# KiCad board VNA.kicad_pcb (continued)
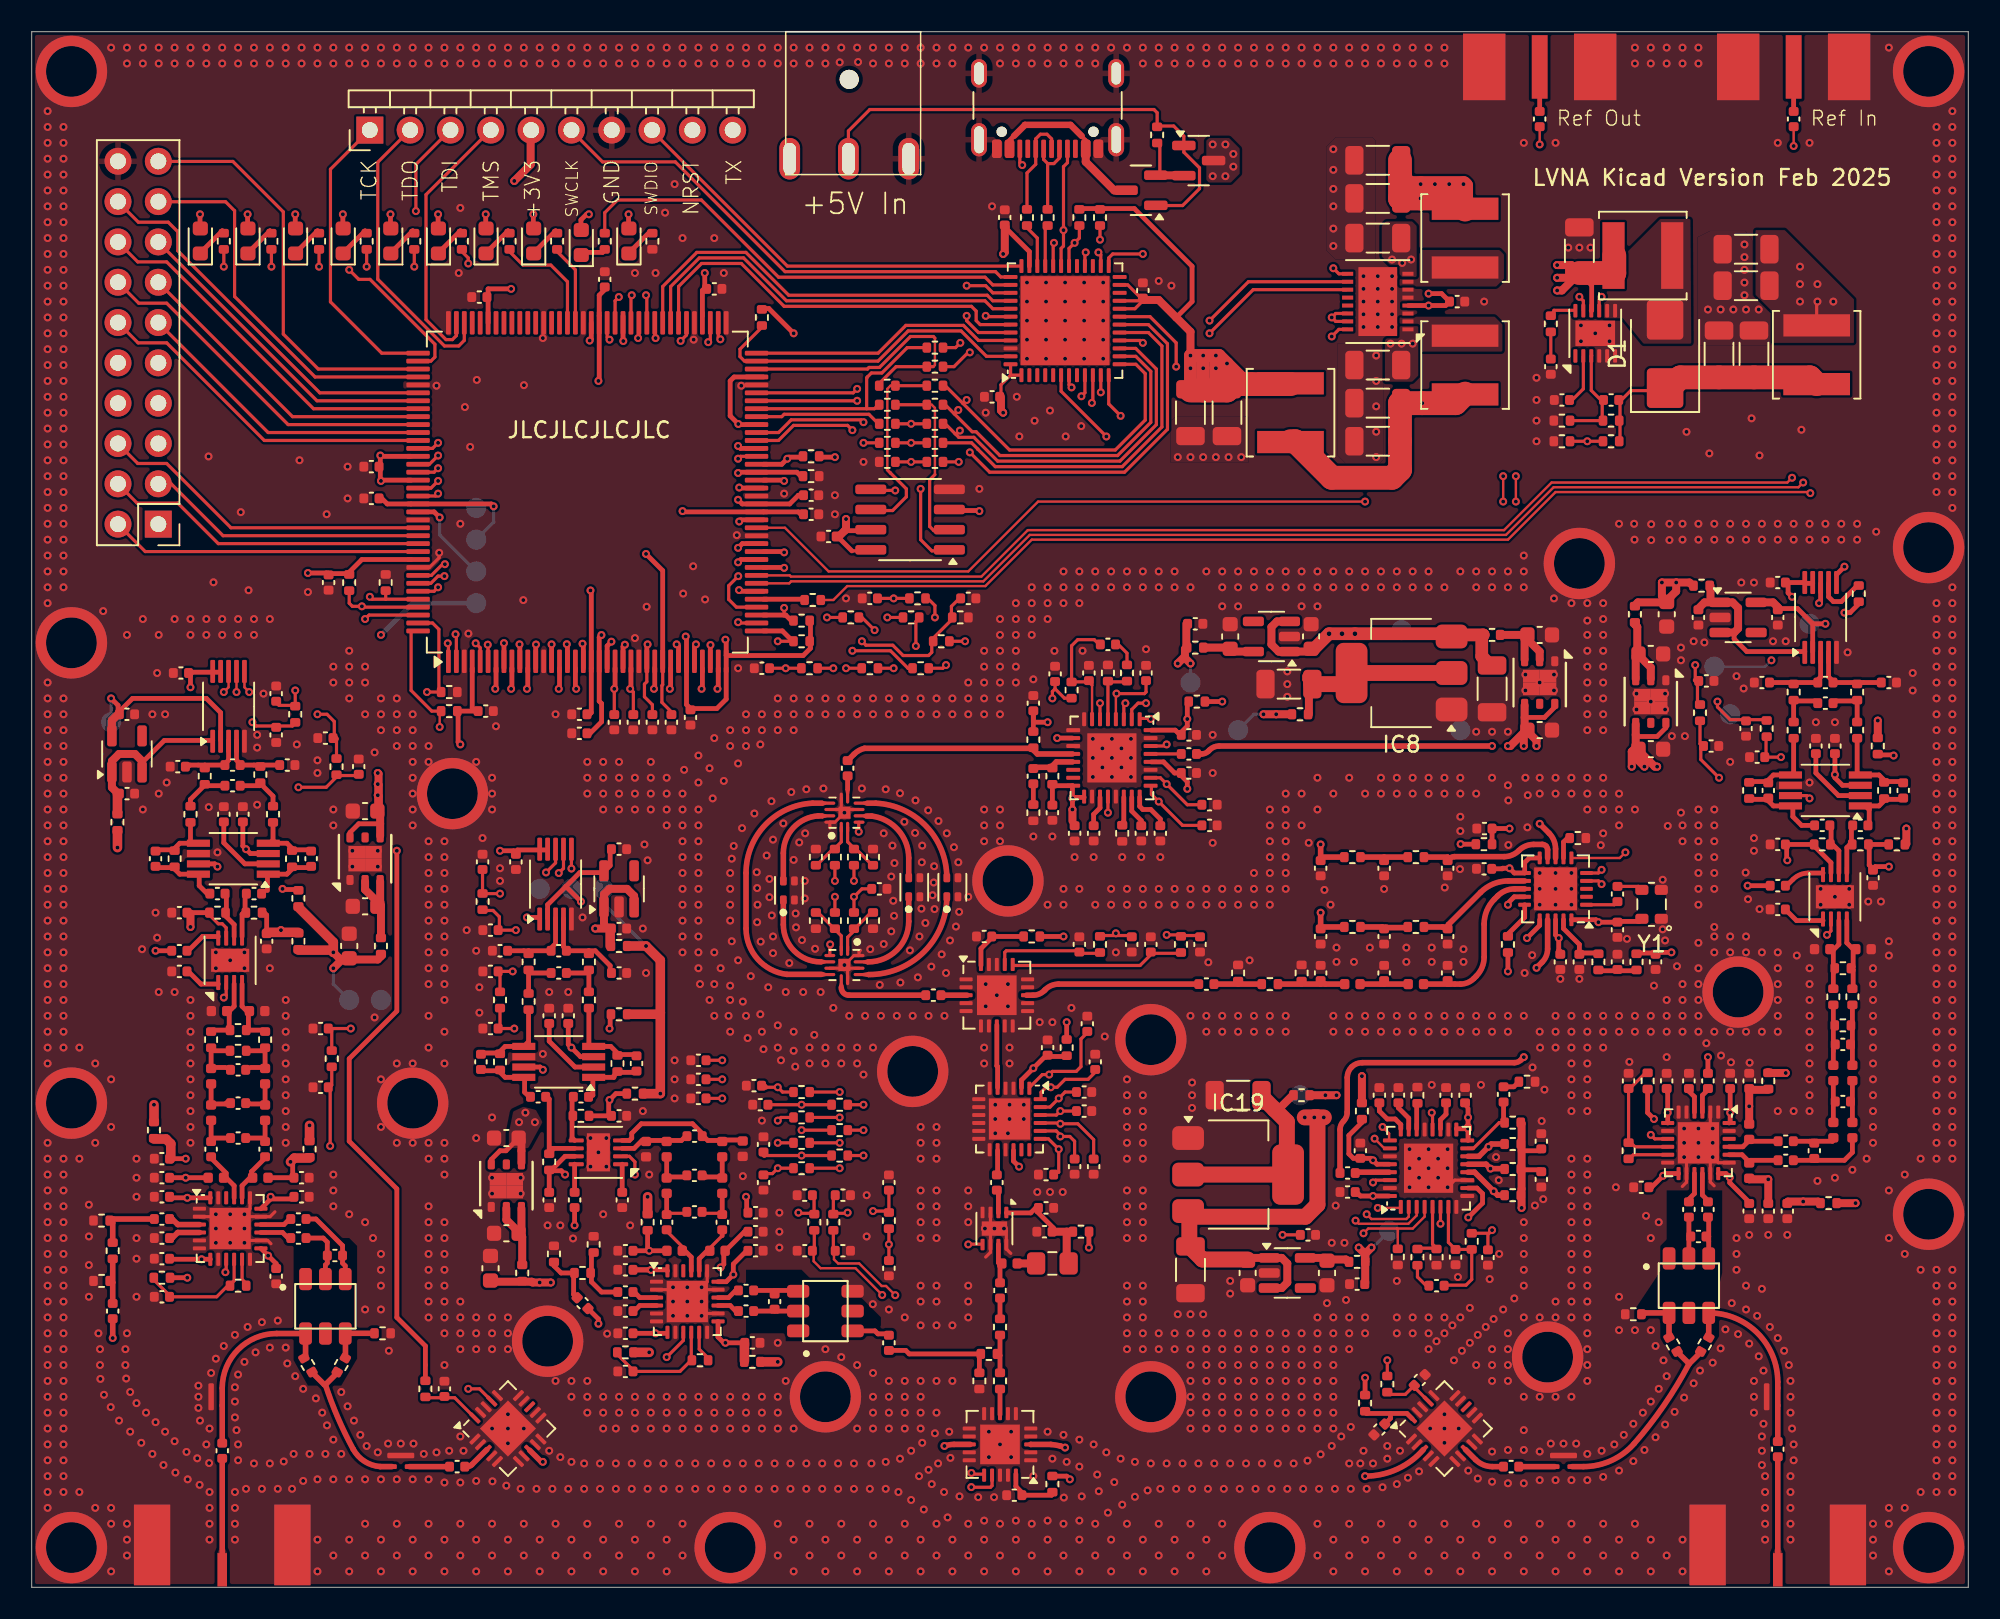
[diagram p0: board, top side]
## Routing (per net, layer and track width the routed paths; a pad name or vN(x,y) marks a point on that pad's centre or on a via; arc(x,y) is an arc through that point) (continued)
  In3.Cu w0.15: v1(30.73,59.4) 31.8,58.33 31.8,53.4 33,52.2 33,49.12 37.6,44.52 37.6,38.17 42.7,33.07 42.7,32.1 43.4,31.4 43.7,31.4 45.4,29.7 45.4,29.3 46.2,28.5 47.2,28.5 v1(48.5,27.2)
ATT_D6: length 42
  Top w0.2: 47.94,26.4 v1(47,26.4) 46.66,26.06 46.1,26.06
  Top w0.3: 30.25,57.9 30.25,56.65 v1(30.2,56.6)
  In3.Cu w0.15: v1(30.2,56.6) 30.2,55.05 30.5,54.75 30.5,53.42 32.1,51.82 32.1,48.75 36.7,44.15 36.7,37.8 41.8,32.7 41.8,28.95 43.95,26.8 46.3,26.8 46.7,26.4 v1(47,26.4)
FILT_IN_C1: length 27.4
  Top w0.2: 51.8,45.44 v1(51.8,44.5) ; 39.1,55.06 39.1,55.6 38.6,56.1 38.6,56.9 38.75,57.05 38.75,57.9
  Top w0.3: v1(38.8,59.4) 38.75,59.35 38.75,57.9
  In3.Cu w0.15: v1(38.8,59.4) 38.6,59.2 38.6,56 39.2,55.4 40.22,55.4 45.42,50.2 46.8,50.2 51.8,45.2 v1(51.8,44.5)
FILT_IN_C2: length 22.5
  Top w0.2: v1(37.7,56.6) 37.9,56.4 37.9,55.06 ; 50.6,45.44 v1(50.6,44.5)
  Top w0.3: v1(37.7,56.6) 37.75,56.65 37.75,57.9
  In3.Cu w0.15: v1(37.7,56.6) 37.7,55.7 45.4,48 45.4,47.73 48.13,45 50.1,45 v1(50.6,44.5)
FILT_OUT_C1: length 24.3
  Top w0.2: 50.6,42.56 v1(50.6,43.5) ; 36.7,55.06 v1(36.7,56.6) 36.75,56.65
  Top w0.3: 36.75,57.9 36.75,56.65 v1(36.7,56.6)
  In3.Cu w0.15: v1(50.6,43.5) 50.1,44 48,44 46.5,45.5 46,45.5 45,46.5 45,46.8 36.7,55.1 v1(36.7,56.6)
FILT_OUT_C2: length 27
  Top w0.2: 52.84,44 52.3,44 v1(51.8,43.5) 51.8,42.56
  Top w0.3: 37.25,57.9 37.25,59.26 v1(37.37,59.38)
  In3.Cu w0.15: v1(37.37,59.38) 38.2,58.55 38.2,55.9 39,55.1 40.1,55.1 46.2,49 46.2,48.3 48.4,46.1 49.78,46.1 51.1,44.78 51.1,44.2 v1(51.8,43.5)
FPGA_CCLK: length 17.5
  Top w0.15: 56.8,76.9 56.9,77 56.9,78.7
  Top w0.2: 56.8,76.9 54.45,76.9 53.34,75.79 ; 46.1,76.75 52.65,76.75 52.75,76.85 53.41,76.85 55.36,78.8 56.8,78.8 56.9,78.7
FPGA_CLK: length 2.4
  Top w0.3: 93,41.06 93,41.15 94.05,42.2 94.05,43
FPGA_CSO_B: length 22.9
  Top w0.2: v1(44.5,60.8) 44.55,60.75 46.1,60.75 ; 53.34,72.1 v1(52.4,72.1)
  In3.Cu w0.15: v1(44.5,60.8) 43.8,61.5 43.8,71.98 44.22,72.4 51,72.4 51.3,72.1 v1(52.4,72.1)
FPGA_DIN: length 13.8
  Top w0.2: 53.34,74.5 53.09,74.25 52.6,74.25 ; 46.1,74.25 52.6,74.25 ; 52.6,74.25 52.6,76.2 52.65,76.25 52.65,76.25 52.9,76.5 53.56,76.5 55.16,78.1 56.34,78.1
FPGA_DONE: length 21
  Top w0.2: 61.67,77.55 60.15,77.55 58.55,79.15 55.22,79.15 53.32,77.25 44.9,77.25 44.62,77.53 44.62,78 46,79.38
FPGA_INIT_B: length 32.3
  Top w0.2: 64.85,76.37 64.85,75.35 v1(67.7,72.5) ; v1(47.4,61.7) 47.4,61.25
  Top w0.3: 46.1,61.25 47.5,61.25 47.85,60.9 47.94,60.9
  In4.Cu w0.15: v1(47.4,61.7) 49.4,63.7 58.1,63.7 66.9,72.5 v1(67.7,72.5)
FPGA_M1: length 17.8
  Top w0.2: 56.34,70.9 v1(55.4,70.9) 54.46,70.9
  Top w0.3: 46.1,71.75 44.65,71.75 v1(44.5,71.9)
  In3.Cu w0.15: v1(55.4,70.9) 55.4,69.3 54.7,68.6 54,68.6 50.6,72 44.6,72 v1(44.5,71.9)
FPGA_MOSI: length 7.6
  Top w0.2: 53.34,73.3 52.74,73.9 47.4,73.9 47.25,73.75 46.1,73.75
FPGA_PROGRAM_B: length 42.5
  Top w0.2: v1(72.1,76.9) 72.1,78.4 70.45,80.05 68.53,80.05 ; v1(47,59.6) 47.94,59.6
  Top w0.3: 46.1,60.25 47.29,60.25 47.94,59.6
  In4.Cu w0.15: v1(47,59.6) 46.9,59.7 46.9,61.87 49.13,64.1 58,64.1 70.8,76.9 v1(72.1,76.9)
FPGA_RESET: length 16.7
  Top w0.2: 46.1,77.75 53.32,77.75 55.07,79.5 58.69,79.5 59.64,78.55 61.67,78.55
FPGA_TCK: length 18.2
  Top w0.2: 23.9,77.75 22.05,77.75 18.82,80.98 18.82,89.34 21.27,91.79
FPGA_TDI: length 21.9
  Top w0.2: v1(24.2,86.7) 24.2,89.64 26.35,91.79 ; v1(20,83) 20.6,82.4 21.31,82.4 25.4,78.31 25.4,77.5 25.15,77.25 23.9,77.25
  In3.Cu w0.2: v1(20,83) 20,83.8 21.3,85.1 22.6,85.1 v1(24.2,86.7)
FPGA_TDO: length 19.1
  Top w0.2: 23.81,91.79 21.8,89.78 21.8,82.41 26,78.2 26.9,78.2 27.25,78.55 27.25,80.1
FPGA_TMS: length 17.4
  Top w0.2: 26.75,80.1 26.75,78.85 26.5,78.6 26.1,78.6 24.84,79.86 24.84,87.74 28.89,91.79
HIGHBAND_SELECT: length 68.2
  Top w0.2: 68.3,41.06 67.3,41.06 ; 68.3,41.06 69.3,41.06 ; 68.3,41.06 v1(68.3,41.2)
  Top w0.3: v1(36.52,59.57) 36.25,59.3 36.25,57.9
  In3.Cu w0.15: v1(36.52,59.57) 36.2,59.25 36.2,54.7 38.5,52.4 38.5,48.02 40.02,46.5 41.2,46.5 41.5,46.2 41.5,37.15 42.15,36.5 44.2,36.5 44.48,36.22 44.48,34.8 44.47,34.8 44.47,34.17 46.25,32.4 47.32,32.4 47.42,32.3 50,32.3 50.52,32.82 50.52,34.2 51.63,35.3 56.82,35.3 58.4,33.72 58.4,33.22 59.12,32.5 61.9,32.5 62.15,32.75 62.15,35.65 67.7,41.2 v1(68.3,41.2)
I2C_SCL: length 76.2
  Top w0.15: v1(92.7,68.4) v1(92.7,70)
  Top w0.2: 68.53,78.55 69.85,78.55 v1(70,78.4) ; 82.87,81.75 76.95,81.75 v1(74.2,79) ; 97.95,44.5 98.7,44.5 v1(98.9,44.3) ; 67.3,85.74 v1(67.3,84.9)
  In3.Cu w0.15: 70,79 v1(70,78.4) ; 70,79 v1(74.2,79) 74.8,79 82,71.8 90.9,71.8 v1(92.7,70) ; 70,79 69.2,79.8 69.2,83 v1(67.3,84.9) ; v1(98.9,44.3) 95.52,47.67 95.52,55.12 96.4,56 96.4,59.1 94.5,61 94.5,66.5 92.7,68.3 v1(92.7,68.4)
I2C_SDA: length 76.7
  Top w0.15: v1(93.5,68.4) v1(93.5,70)
  Top w0.2: v1(98.9,45.2) 98.7,45 97.95,45 ; 66,85.74 66,85 v1(65.7,84.7) 65.35,84.35 IC37.30 ; 82.87,82.25 76.65,82.25 v1(74.2,79.8)
  In3.Cu w0.15: v1(65.7,84.7) 66.4,85.4 67.6,85.4 69.7,83.3 69.7,81.4 71.3,79.8 v1(74.2,79.8) 74.6,79.8 82.2,72.2 91.3,72.2 v1(93.5,70) ; v1(98.9,45.2) 96.5,47.6 96.5,52.8 96.2,53.1 96.2,55.1 96.8,55.7 96.8,59.2 95,61 95,67 93.6,68.4 v1(93.5,68.4)
LO1_CE: length 93.3
  Top w0.15: 86,22.6 86.06,22.54 86.06,21.37 ; 86,22.6 84.2,22.6 v1(83.9,22.3) ; 86,22.6 87,22.6 87.75,23.35 IC21.4
  Top w0.3: v1(47.4,64.22) 47.38,64.25 46.1,64.25
  In3.Cu w0.15: v1(47.4,64.22) 47.63,64 61.58,64 63.58,66 85.6,66 86.5,65.1 86.5,41 85.5,40 85.5,34.83 85.2,34.52 84.65,34.52 83.1,32.98 83.1,30.6 82.8,30.3 82.8,22.9 83.4,22.3 v1(83.9,22.3)
LO1_CLK: length 95
  Top w0.15: v1(84.8,23.9) 86.19,23.9 IC21.1
  Top w0.3: v1(44.5,65.48) 44.77,65.75 46.1,65.75
  In3.Cu w0.15: v1(84.8,23.9) 84.5,23.9 83.7,24.7 83.7,29.2 88,33.5 89,33.5 89.5,34 89.5,65.1 87.7,66.9 63.2,66.9 61.2,64.9 48.72,64.9 47.92,65.7 44.72,65.7 v1(44.5,65.48)
LO1_LD: length 91.7
  Top w0.15: 85.51,28.15 85.51,28.59 v1(85.1,29)
  Top w0.3: 46.1,69.75 47.35,69.75 v1(47.4,69.7)
  In3.Cu w0.15: v1(85.1,29) 86.4,29 87.9,30.5 89.1,30.5 92.52,33.92 92.52,65.07 89.8,67.8 62.83,67.8 60.83,65.8 51.3,65.8 v1(47.4,69.7)
LO1_LE: length 94.9
  Top w0.15: IC21.3 87.25,23.43 86.72,22.9 83.6,22.9 v1(83.4,23.1)
  Top w0.3: 46.1,64.75 44.68,64.75 v1(44.5,64.57)
  In3.Cu w0.15: v1(83.4,23.1) 83.1,23.4 83.1,29.5 87.5,33.9 87.5,65.1 86.3,66.3 63.45,66.3 61.45,64.3 48.2,64.3 47.78,64.72 44.65,64.72 v1(44.5,64.57)
LO1_MOSI: length 92
  Top w0.15: IC21.2 86.75,23.35 86.6,23.2 84.4,23.2 v1(84.1,23.5)
  Top w0.3: v1(47.4,65.2) 47.35,65.25 46.1,65.25
  In3.Cu w0.15: v1(84.1,23.5) 83.4,24.2 83.4,29.32 87.88,33.8 88.3,33.8 88.5,34 88.5,39.03 88.67,39.2 88.67,40.5 88.5,40.67 88.5,65.1 87,66.6 63.33,66.6 61.33,64.6 48.6,64.6 48,65.2 v1(47.4,65.2)
LO1_MUX: length 94.5
  Top w0.2: v1(84.5,25.5) 84.65,25.65 85.51,25.65
  Top w0.3: v1(44.57,67.14) 44.68,67.25 46.1,67.25
  In3.Cu w0.15: v1(44.57,67.14) 46.9,67.14 48.85,65.2 61.08,65.2 63.08,67.2 88.4,67.2 90.5,65.1 90.5,40.57 90.67,40.4 90.67,39.2 90.5,39.03 90.5,34.2 89.5,33.2 88.2,33.2 84.02,29.02 84.02,25.97 v1(84.5,25.5)
LO1_REF: length 27
  Top w0.35: v1(94.8,39.02) 95.15,39.37 arc(95.41,39.76) 95.5,40.22 95.5,42.05 ; v1(94,33.4) 93.83,33.22 arc(93.63,33.1) 93.4,33.05 83.81,33.05 arc(83.45,32.98) 83.15,32.77 arc(82.95,32.47) 82.88,32.11 82.88,29.92 arc(82.82,29.62) 82.65,29.37 arc(82.48,29.12) 82.42,28.82 82.42,26.1
  In3.Cu w0.22: v1(94,33.4) 94,34.43 arc(94.1,34.96) 94.4,35.4 arc(94.7,35.84) 94.8,36.37 v1(94.8,39.02)
LO1_RF_EN: length 94
  Top w0.15: v1(84.6,28.26) 85.21,27.65
  Top w0.3: v1(44.57,69.28) 44.6,69.25 46.1,69.25
  In3.Cu w0.15: v1(44.57,69.28) 45.19,69.28 48.97,65.5 60.95,65.5 62.95,67.5 89.1,67.5 91.48,65.12 91.48,33.37 88.9,30.8 87.7,30.8 86.5,29.6 85.03,29.6 84.6,29.17 v1(84.6,28.26)
LOWBAND_SELECT: length 67.3
  Top w0.2: 72.35,41.1 v1(71.5,41.1) ; 73.6,41.06 72.4,41.06
  Top w0.3: v1(34.3,56.6) 34.25,56.65 34.25,57.9
  In3.Cu w0.15: v1(34.3,56.6) 34.3,56.18 37.5,52.98 37.5,48.6 40.4,45.7 40.4,37.82 46.12,32.1 47.2,32.1 47.4,31.9 50.9,31.9 51.5,32.5 51.5,34.2 52.3,35 56.7,35 58.1,33.6 58.1,33.1 59,32.2 62.02,32.2 62.5,32.68 62.5,35.58 67.52,40.6 71,40.6 v1(71.5,41.1)
MCU_AUX1: length 31.4
  Top w0.2: v1(40.88,78.52) 41.25,78.89 41.25,80.1 ; v1(66.13,75.03) 66.35,75.25 66.35,76.37
  In3.Cu w0.15: v1(66.13,75.03) 65.37,75.03 63.8,76.6 59.18,76.6 57.18,78.6 57.1,78.6 55.3,80.4 42.76,80.4 v1(40.88,78.52)
MCU_AUX2: length 29.7
  Top w0.2: 66.85,76.37 66.85,74.67 v1(66.79,74.61) ; 43.25,80.1 43.25,78.75 v1(43.38,78.62)
  In3.Cu w0.15: v1(66.79,74.61) 66.7,74.52 65.45,74.52 63.68,76.3 59.05,76.3 57.05,78.3 56.98,78.3 55.18,80.1 44.86,80.1 v1(43.38,78.62)
MCU_AUX3: length 31.7
  Top w0.2: v1(42.62,78.44) 42.75,78.57 42.75,80.1 ; v1(67.35,75.28) 67.35,76.37
  In3.Cu w0.15: v1(42.62,78.44) 42.96,78.1 43.67,78.1 45.37,79.8 55.05,79.8 56.85,78 56.93,78 58.93,76 63.55,76 65.46,74.09 66.99,74.09 67.35,74.45 v1(67.35,75.28)
MCU_FLASH_CS: length 23.5
  Top w0.2: 68.53,79.05 70.35,79.05 71.2,78.2 71.2,73.1 68.7,70.6 60.7,70.6 59.6,71.7 59.6,71.71 59.21,72.1 57.46,72.1
MCU_FPGA_CCLK: length 16.9
  Top w0.2: 57.46,76.9 58.1,76.9 59,77.8 v1(59.1,77.8) ; 67.35,83.23 67.35,83.95 v1(67.2,84.1)
  In3.Cu w0.2: v1(59.1,77.8) 59.3,78 66.7,78 67,78.3 67,83.9 v1(67.2,84.1)
MCU_FPGA_DIN: length 14.6
  Top w0.2: 66.35,83.23 66.35,84.05 v1(66.4,84.1) ; v1(58.5,78.4) 58.2,78.1 57.46,78.1
  In3.Cu w0.2: v1(66.4,84.1) 65.7,83.4 65.7,79.5 65.4,79.2 59.3,79.2 v1(58.5,78.4)
MCU_FPGA_NSS: length 26.3
  Top w0.2: v1(52,75.5) 51.75,75.25 46.1,75.25 ; v1(68.6,73.8) 67.85,74.55 67.85,76.37
  In3.Cu w0.15: v1(52,75.5) 52.2,75.7 63.43,75.7 65.33,73.8 v1(68.6,73.8)
MCU_FPGA_UNUSED1: length 25.3
  Top w0.2: 40.75,80.1 40.75,81.95 42.2,83.4 44.7,83.4 47.4,80.7 59.2,80.7 59.5,80.4 59.5,79.8 59.75,79.55 61.67,79.55
MCU_FPGA_UNUSED2: length 25.3
  Top w0.2: 40.25,80.1 40.25,81.94 42.06,83.75 44.84,83.75 47.54,81.05 60.05,81.05 60.55,80.55 61.67,80.55
MCU_FPGA_UNUSED3: length 25.9
  Top w0.2: 61.67,81.05 60.54,81.05 60.19,81.4 47.69,81.4 44.99,84.1 41.9,84.1 39.75,81.95 39.75,80.1
MCU_INTR: length 42.9
  Top w0.2: v1(44.5,71.1) 44.65,71.25 46.1,71.25 ; 68.53,79.55 70.34,79.55 71.55,78.34 71.55,72.96 68.84,70.25 60.35,70.25 v1(59.1,71.5)
  In3.Cu w0.15: v1(59.1,71.5) 58.1,71.5 57.3,70.7 57.3,69.6 56,68.3 52.8,68.3 49.4,71.7 46.5,71.7 45.9,71.1 v1(44.5,71.1)
MCU_MISO: length 34
  Top w0.2: 57.55,74.5 58.13,73.92 ; 58.13,73.92 59.25,72.8 59.5,72.8 61,71.3 68.41,71.3 70.5,73.39 70.5,76.61 69.56,77.55 68.53,77.55 ; 58.13,73.92 v1(58.37,74.17) ; v1(52.4,73.4) 52.25,73.55 47.85,73.55 47.05,72.75 46.1,72.75
  In3.Cu w0.15: v1(52.4,73.4) 53.17,74.17 v1(58.37,74.17)
MCU_MOSI: length 35.7
  Top w0.2: v1(58.47,72.87) 58.27,72.67 58.17,72.67 ; 57.55,73.3 58.17,72.67 ; 58.17,72.67 58.4,72.45 59.35,72.45 60.85,70.95 68.56,70.95 70.85,73.24 70.85,76.75 69.55,78.05 68.53,78.05 ; v1(51.7,72.9) 51.4,73.2 47.99,73.2 47.04,72.25 46.1,72.25
  In3.Cu w0.15: v1(58.47,72.87) 57.47,73.87 53.97,73.87 53,72.9 v1(51.7,72.9)
MCU_NRST: length 32.6
  Top w0.2: 65.35,76.37 65.35,75.75 v1(65.51,75.59)
  In3.Cu w0.15: v1(65.51,75.59) 64.2,76.9 59.3,76.9 48.5,87.7 43.7,87.7 41.59,89.81 41.59,91.79
MCU_SCK: length 33
  Top w0.2: 57.55,75.7 58.67,74.57 ; 58.67,74.57 v1(58.9,74.8) ; 58.67,74.57 61.6,71.65 68.27,71.65 70.15,73.53 70.15,76.46 69.56,77.05 68.53,77.05 ; 46.1,74.75 v1(52,74.75)
  In3.Cu w0.15: v1(58.9,74.8) 52.05,74.8 v1(52,74.75)
MCU_SWCLK: length 31.5
  Top w0.2: 33.97,91.79 35.96,89.8 40.55,89.8 47.46,82.88 60.72,82.88 61.05,82.55 61.67,82.55
MCU_SWDIO: length 26.8
  Top w0.2: 62.35,83.23 47.61,83.23 39.05,91.79
MCU_UART_TX: length 22.7
  Top w0.2: 61.67,81.55 60.55,81.55 60.1,82 v1(58.9,82)
  In3.Cu w0.15: 44.13,91.79 44.13,90.17 46.2,88.1 48.6,88.1 54.7,82 v1(58.9,82)
PORT1_CONVSTART: length 17.8
  Top w0.15: v1(13.7,56.4) 13.4,56.7 13.4,57.65
  Top w0.2: v1(25.6,63) 25.35,62.75 23.9,62.75
  In3.Cu w0.2: v1(25.6,63) 20.3,63 v1(13.7,56.4)
PORT1_SCLK: length 21.1
  Top w0.15: 12.4,57.65 12.4,56.7 v1(12.1,56.4)
  Top w0.2: v1(26.03,64.45) 25.88,64.45 25.18,63.75 23.9,63.75
  In3.Cu w0.2: v1(12.1,56.4) 20.1,64.4 25.98,64.4 v1(26.03,64.45)
PORT1_SDO: length 19.7
  Top w0.15: 12.9,57.65 v1(12.9,56.4)
  Top w0.2: v1(26,63.7) 25.6,63.7 25.14,63.25 23.9,63.25
  In3.Cu w0.2: v1(12.9,56.4) 20.2,63.7 26,63.7 v1(26,63.7)
PORT1LO1: length 109.5
  Top w0.35: 90.49,26.15 90.9,26.15 v1(92.1,24.95) 92.35,24.7 R32.1 ; 5.1,16.84 v1(5.1,15.7)
  In4.Cu w0.22: v1(92.1,24.95) 92.06,24.91 92.06,24.18 arc(92.1,23.96) 92.23,23.77 92.4,23.6 arc(92.99,22.71) 93.2,21.67 93.2,20.95 arc(92.86,19.24) 91.89,17.79 82.69,8.59 arc(80.93,7.41) 78.85,7 71.5,7 arc(69.92,6.74) 68.5,6 arc(67.08,5.26) 65.5,5 59,5 arc(57.42,5.26) 56,6 arc(54.58,6.74) 53,7 30.82,7 arc(30.43,7.08) 30.1,7.3 arc(29.77,7.52) 29.38,7.6 17.12,7.6 arc(16.73,7.52) 16.4,7.3 arc(16.07,7.08) 15.68,7 12.35,7 arc(10.27,7.41) 8.51,8.59 6.41,10.69 arc(5.44,12.14) 5.1,13.85 v1(5.1,15.7)
PORT1LO2: length 104
  Top w0.3: 8.74,40.1 v1(7.8,40.1)
  Top w0.35: 82.64,46 81.25,46 81.2,45.95 81.2,45.86 v1(81.2,46.8)
  In4.Cu w0.22: v1(81.2,46.8) 81.2,45.37 arc(81.1,44.84) 80.8,44.4 arc(80.5,43.96) 80.4,43.43 80.4,36.65 arc(79.99,34.57) 78.81,32.81 73.99,27.99 arc(72.23,26.81) 70.15,26.4 63.62,26.4 arc(63.23,26.32) 62.9,26.1 62.85,26.05 arc(62.57,25.86) 62.25,25.8 arc(61.93,25.86) 61.65,26.05 61.65,26.05 arc(61.37,26.24) 61.05,26.3 52.67,26.3 arc(52.14,26.4) 51.7,26.7 51.69,26.71 arc(51.26,27) 50.75,27.1 50.69,27.1 arc(50.24,27.01) 49.85,26.75 arc(49.46,26.49) 49.01,26.4 48.59,26.4 arc(48.14,26.49) 47.75,26.75 arc(47.36,27.01) 46.91,27.1 39.93,27.1 arc(37.85,26.69) 36.08,25.51 35.87,25.29 arc(34.11,24.11) 32.02,23.7 29.35,23.7 arc(27.27,24.11) 25.51,25.29 25.49,25.31 arc(23.73,26.49) 21.65,26.9 19.39,26.9 arc(18.48,26.72) 17.7,26.2 17.39,25.89 arc(16.96,25.6) 16.45,25.5 arc(15.94,25.6) 15.51,25.89 15.1,26.3 arc(14.51,27.19) 14.3,28.23 14.3,31.35 arc(13.89,33.43) 12.71,35.19 v1(7.8,40.1)
PORT1MIX1_EN: length 41.9
  Top w0.2: 19.29,51.14 18.55,50.4 v1(16.8,50.4) ; v1(12.2,19.85) 12.25,19.9 12.25,20.67 ; 19.3,51.14 20.6,51.14
  In3.Cu w0.3: v1(16.8,50.4) 16.8,48.4 19.65,45.55 19.65,45.17 19.8,45.02 19.8,38.2 18.2,36.6 18.2,22.4 15.65,19.85 v1(12.2,19.85)
PORT1MIX2_EN: length 25.5
  Top w0.2: 16.6,54.44 16.42,54.26 14.14,54.26 v1(13.9,54.5) ; 12.25,38 12.25,37.3 v1(12.1,37.15)
  Top w0.3: v1(11.7,45.4) 11.53,45.57 10.55,45.57
  In3.Cu w0.3: v1(12.1,37.15) 9.2,40.05 9.2,42.9 v1(11.7,45.4) 12.7,46.4 12.7,53.3 v1(13.9,54.5)
PORT1SRC: length 1.8
  Top w0.35: C96.1 27.44,7.6 arc(27.59,7.63) 27.71,7.71 28.67,8.67
PORT1SWITCH: length 34
  Top w0.2: 23.9,61.25 21.25,61.25 v1(21,61) ; v1(20.1,35.2) 18.76,35.2 18.9,35.06 18.9,33.86
  In3.Cu w0.2: v1(21,61) 18.5,58.5 18.5,50.7 21,48.2 21,36.1 v1(20.1,35.2)
PORT2_CONVSTART: length 76.3
  Top w0.15: 46.1,63.75 47.75,63.75 47.83,63.67 59.83,63.67 62.75,66.6 92.75,66.6 95.75,69.6 110.6,69.6 v1(110.9,69.9)
  Top w0.3: 113.7,63.8 v1(114.2,64.3)
  In3.Cu w0.15: v1(114.2,64.3) 114.5,64.6 114.5,67.7 112.1,70.1 111.1,70.1 v1(110.9,69.9)
PORT2_SCLK: length 73.6
  Top w0.15: 49.76,62.2 50.5,62.2 51.38,63.07 60.08,63.07 63,66 93,66 96,69 111.98,69 v1(112.05,68.93)
  Top w0.3: v1(112.6,62) 112.7,62.1 112.7,63.25
  In3.Cu w0.15: v1(112.6,62) 112.5,62.1 112.5,68.48 v1(112.05,68.93)
PORT2_SDO: length 3.3
  Top w0.3: 115.1,63.2 114,62.1 113.5,62.1 113.2,62.4 113.2,63.25
PORT2LO1: length 19.3
  Top w0.3: 105.6,32.46 v1(105.6,33.4)
  Top w0.35: R34.1 91.95,27.92 v1(91.77,27.75) 91.17,27.15 90.49,27.15
  In4.Cu w0.22: v1(105.6,33.4) 104.53,32.33 arc(103.94,31.94) 103.25,31.8 arc(102.56,31.66) 101.97,31.27 100.95,30.25 arc(99.23,29.1) 97.21,28.7 93.4,28.7 arc(92.78,28.58) 92.25,28.22 v1(91.77,27.75)
PORT2LO2: length 10
  Top w0.3: v1(108.1,44.2) 109.44,44.2 ; 102.35,40 v1(103.3,40) ; 102.3,39.96 101.1,39.96
  In4.Cu w0.22: v1(108.1,44.2) 107.8,44.2 arc(107.52,44.14) 107.29,43.99 v1(103.3,40)
PORT2MIX1_EN: length 29.8
  Top w0.2: 105.24,53 105.1,53.14 105.1,54.54 ; v1(102,28.5) 102.25,28.25 103.07,28.25 ; v1(106.3,51) 105.15,52.15 105.15,52.91
  In3.Cu w0.15: v1(102,28.5) 101.6,28.9 101.6,30.9 104.5,33.8 104.5,49.2 v1(106.3,51)
PORT2MIX2_EN: length 22.7
  Top w0.2: 110.85,49.87 111.83,49.87 v1(112,49.7) ; v1(110.2,52.3) 109.26,52.3 109.26,53.5 ; v1(113.1,41.1) 113.35,41.35 113.35,42
  In3.Cu w0.15: v1(113.1,41.1) 115.6,41.1 117.5,43 117.5,45.57 113.37,49.7 v1(112,49.7) 110.2,51.5 v1(110.2,52.3)
PORT2SRC: length 2.7
  Top w0.35: 90.33,8.67 90.96,8.04 arc(91.45,7.71) 92.02,7.6 92.64,7.6
PORT2SWITCH: length 105.8
  Top w0.2: 85.4,13.36 v1(85.4,14.3) ; 79.84,22.2 v1(78.8,22.2) ; v1(44.51,63.7) 43.91,63.1 43.91,62.23 44.39,61.75 46.1,61.75
  In3.Cu w0.15: 85.5,45 85.8,44.7 85.8,41 84.5,39.7 84.5,34.8 82.8,33.1 82.8,30.8 82.4,30.4 82.4,29.9 81.7,29.2 81.7,25.1 79.5,22.9 ; v1(44.51,63.7) 61.7,63.7 63.7,65.7 84.1,65.7 85.5,64.3 85.5,47.4
  In3.Cu w0.152: 79.5,22.9 v1(78.8,22.2) 81,20 83.6,20 85.4,18.2 v1(85.4,14.3) ; 85.5,47.4 85.5,45
PORTSWITCH1: length 51.7
  Top w0.2: v1(51.4,23.6) 51.36,23.56 50.5,23.56 50.5,24.66 ; v1(28.73,59.38) 28.75,59.36 28.75,57.9
  In3.Cu w0.15: v1(51.4,23.6) 49.07,23.6 46.17,26.5 43.82,26.5 41.5,28.82 41.5,31.9 40.8,32.6 40.32,32.6 36.4,36.52 36.4,44.02 31.8,48.62 31.8,51.7 30.2,53.3 30.2,54.62 29.7,55.12 29.7,58.41 v1(28.73,59.38)
PORTSWITCH2: length 45.8
  Top w0.2: 49.3,23.56 48.34,23.56 v1(48.3,23.6) ; 49.29,24.67 49.29,23.57
  Top w0.3: v1(29.2,56.6) 29.25,56.65 29.25,57.9
  In3.Cu w0.15: v1(29.2,56.6) 29.2,55.2 29.9,54.5 29.9,53.1 31.5,51.5 31.5,48.5 36.1,43.9 36.1,36.4 39.9,32.6 39.9,31.8 40.3,31.4 40.7,31.4 41.2,30.9 41.2,28.7 44.7,25.2 46.7,25.2 v1(48.3,23.6)
REF_CONVSTART: length 19.6
  Top w0.2: 34,46.45 v1(34,45.28) ; v1(27.97,59.47) 28.25,59.19 28.25,57.9
  In3.Cu w0.15: v1(27.97,59.47) 27.9,59.4 27.9,54.67 31.2,51.37 31.2,48.08 v1(34,45.28)
REF_SCLK: length 20.3
  Top w0.2: 26.25,57.9 26.25,59.43 v1(26.21,59.47) ; v1(32.4,45.03) 33,45.63 33,46.45
  In3.Cu w0.15: v1(26.21,59.47) 26.2,59.46 26.2,55.52 30.6,51.12 30.6,46.83 v1(32.4,45.03)
REF_SDO: length 21.5
  Top w0.2: 33.5,46.45 33.5,45.29 v1(33.2,45) ; v1(26.7,60.04) 26.75,59.99 26.75,57.9
  In3.Cu w0.15: v1(33.2,45) 30.9,47.3 30.9,51.25 26.7,55.45 26.7,60.04 v1(26.7,60.04)
REFLO1: length 65.9
  Top w0.3: v1(35.7,16.6) 35.7,16.9 35.1,17.5
  Top w0.35: 92.74,26.3 92.67,26.37 v1(91.9,26.37) 91.63,26.65 90.49,26.65
  In4.Cu w0.22: v1(91.9,26.37) 91.64,26.37 arc(91.39,26.33) 91.19,26.19 87.19,22.19 arc(85.43,21.01) 83.35,20.6 46.33,20.6 arc(45.29,20.81) 44.4,21.4 arc(43.51,21.99) 42.47,22.2 40.48,22.2 arc(38.65,21.84) 37.1,20.8 36.69,20.39 arc(35.96,19.29) 35.7,18 v1(35.7,16.6)
REFLO2: length 62.9
  Top w0.3: v1(34.2,22.8) 34.2,23.84
  Top w0.35: 81.2,41.56 v1(81.2,42.5) ; 81.24,41.6 82.64,41.6
  In4.Cu w0.22: v1(34.2,22.8) 35.45,24.05 arc(36.83,24.98) 38.47,25.3 55.09,25.3 arc(55.28,25.34) 55.45,25.45 arc(55.62,25.56) 55.81,25.6 60.72,25.6 arc(60.98,25.55) 61.2,25.4 arc(61.42,25.25) 61.68,25.2 62.52,25.2 arc(62.78,25.25) 63,25.4 arc(63.22,25.55) 63.48,25.6 70.35,25.6 arc(72.43,26.01) 74.19,27.19 79.61,32.61 arc(80.79,34.37) 81.2,36.45 v1(81.2,42.5)
REFMIX1_EN: length 34.3
  Top w0.2: 29.5,35.25 29.5,36.44 ; IC33.9 41.05,15.55 v1(40,14.5) ; v1(30.4,35.2) 29.46,35.2
  In3.Cu w0.3: v1(40,14.5) 39.6,14.1 37.2,14.1 35.1,16.2 35.1,16.9 33.6,18.4 31.6,18.4 30,20 30,26.2 32.5,28.7 32.5,30.7 30.4,32.8 v1(30.4,35.2)
REFMIX2_EN: length 27
  Top w0.2: 37.2,27.15 37.65,27.15 38,26.8 v1(38,26) ; v1(30.5,41.4) 29.46,41.4 29.46,42.24 29.06,42.64 28.4,42.64
  Top w0.3: 31.05,32.77 32.03,32.77 v1(32.2,32.6)
  In3.Cu w0.3: v1(38,26) 37.5,26.5 37.5,31.5 36.4,32.6 v1(32.2,32.6) 31.2,33.6 31.2,40.7 v1(30.5,41.4)
REFSRC: length 6.9
  Top w0.3: 59.74,14.7 55.28,14.7 55.06,14.92 54,14.92 ; 59.7,14.65 59.7,13.56
SOURCE_CE: length 24.4
  Top w0.2: 58.44,62.3 57.94,61.8 57.94,61.1 ; 56.7,59.7 56.7,58.9 56.5,58.7 54.89,58.7 54.24,59.35 52.55,59.35 v1(52.3,59.6) ; 57.94,60.94 56.75,59.75
  Top w0.3: 39.25,57.9 39.25,56.65 v1(39.2,56.6)
  In3.Cu w0.15: v1(39.2,56.6) 41.3,58.7 48.38,58.7 49.28,59.6 v1(52.3,59.6)
SOURCE_CLK: length 11.9
  Top w0.2: 51.04,61.1 v1(50.1,61.1)
  Top w0.3: 41.75,57.9 41.75,59.3 v1(41.85,59.4)
  In3.Cu w0.15: v1(50.1,61.1) 49.1,61.1 48.2,60.2 46.9,60.2 46.3,59.6 44.5,59.6 43.9,60.2 42.65,60.2 v1(41.85,59.4)
SOURCE_HIGHBAND: length 1.6
  Top w0.35: 57.36,37.3 58.92,37.3
SOURCE_LD: length 8
  Top w0.2: 48.44,57.9 v1(47.5,57.9) 46.56,57.9
  Top w0.3: v1(43.2,56.6) 43.25,56.65 43.25,57.9
  In3.Cu w0.15: v1(47.5,57.9) 46.9,57.3 43.9,57.3 v1(43.2,56.6)
SOURCE_LE: length 18
  Top w0.2: 55.44,57.9 55.2,57.9 54.1,59 v1(51.7,59)
  Top w0.3: 40.25,57.9 40.25,56.65 v1(40.2,56.6)
  In3.Cu w0.15: v1(51.7,59) 49.1,59 48.5,58.4 42,58.4 v1(40.2,56.6)
SOURCE_LOWBAND: length 11
  Top w0.35: 62.67,37.3 63.09,37.3 arc(63.47,37.38) 63.79,37.59 63.85,37.65 arc(64.24,37.91) 64.69,38 73.44,38
SOURCE_MOSI: length 20.9
  Top w0.2: 54.84,61.1 v1(53.9,61.1)
  Top w0.3: v1(40.63,59.4) 40.75,59.28 40.75,57.9
  In3.Cu w0.15: v1(40.63,59.4) 40.63,60.23 40.9,60.5 44.02,60.5 44.62,59.9 46.18,59.9 46.78,60.5 48.08,60.5 50.38,62.8 54.5,62.8 54.8,62.5 54.8,62 v1(53.9,61.1)
SOURCE_MUX: length 12.8
  Top w0.2: 52.24,57.9 v1(51.3,57.9)
  Top w0.3: 42.25,57.9 42.25,56.65 v1(42.2,56.6)
  In3.Cu w0.15: v1(51.3,57.9) 50.8,58.4 49.1,58.4 47.7,57 44.6,57 43.6,56 42.8,56 v1(42.2,56.6)
SOURCE_REF: length 27.1
  Top w0.35: 96,45.95 96,46.52 arc(95.89,47.06) 95.59,47.51 v1(95,48.1) ; 73.46,52.5 73.7,52.5 arc(73.93,52.55) 74.12,52.67 74.2,52.75 arc(74.48,52.94) 74.8,53 v1(92,53)
  In4.Cu w0.22: v1(92,53) 92,52.9 arc(92.02,52.81) 92.07,52.73 92.95,51.85 arc(93.39,51.19) 93.55,50.4 arc(93.71,49.61) 94.15,48.95 v1(95,48.1)
SOURCE_RF_EN: length 16.4
  Top w0.2: 53.36,62.3 v1(54.3,62.3) 55.24,62.3
  Top w0.3: v1(42.76,59.36) 42.75,59.35 42.75,57.9
  In3.Cu w0.15: v1(42.76,59.36) 43.12,59 48.25,59 49.65,60.4 51.4,60.4 53.3,62.3 v1(54.3,62.3)
USB_CC1: length 22.3
  Top w0.2: 64.85,83.23 64.85,84.35 65,84.5 v1(65,85.5) 65,89.5 65.25,89.75 65.25,90.6 ; 61.67,79.05 59.64,79.05 58.9,79.79 v1(58.9,80.1)
  In3.Cu w0.15: v1(65,85.5) 65,83.76 64.5,83.26 64.5,80.6 64.3,80.4 62.48,80.4 61.6,79.52 59.48,79.52 v1(58.9,80.1)
USB_CC2: length 16.2
  Top w0.2: 61.67,80.05 60.15,80.05 v1(60.1,80.1) ; v1(64.4,84.7) 64.35,84.65 64.35,83.23 ; v1(62.4,89.6) 62.25,89.75 62.25,90.6
  In3.Cu w0.15: v1(64.4,84.7) 60.1,80.4 v1(60.1,80.1)
  In3.Cu w0.2: v1(62.4,89.6) 64.4,87.6 v1(64.4,84.7)
USB_DN: length 5.3
  Top w0.2: 64.01,89.69 63.75,89.95 63.75,90.6 ; 64.01,89.69 64.39,89.69 64.75,90.05 64.75,90.6 ; 64.01,89.69 64,89.69 64,86.86
USB_DP: length 6.5
  Top w0.2: 62.7,86.86 62.7,89.1 63.25,89.65 63.25,91.25 63.54,91.54 63.96,91.54 64.25,91.25 64.25,90.6
USB_POWER: length 11.2
  Top w0.2: 61.6,91.15 J4.A9
  Top w0.25: J4.A4 66.4,91.16 66.15,91.41
  Top w0.3: 61.88,91.44 61.6,91.15 ; J4.A4 66.4,91.06
  Top w0.4: 61.88,91.44 62.57,92.12 62.57,92.13 65.44,92.13 66.15,91.43
  Top w0.5: 66.4,90.6 66.4,89.8 68.2,88 68.93,88
VREG6V_EN: length 38.7
  Top w0.2: 67.85,83.23 67.85,83.75 68.1,84 v1(70,84) ; IC1.11 97.75,81.05 v1(97.5,81.3)
  In3.Cu w0.15: v1(70,84) 72.7,84 83,73.7 89.9,73.7 v1(97.5,81.3)
Net-(C5-Pad2): length 1.6
  Top w0.2: 95.7,77.46 95.7,79.04
Net-(C40-Pad1): length 2.4
  Top w0.3: 101.1,38.84 98.7,38.84
Net-(C41-Pad1): length 2.9
  Top w0.35: 83.76,41.6 85.08,41.6 C41.1 85.28,41.56 86.6,41.56
Net-(C42-Pad1): length 3
  Top w0.35: 85.2,46 86.64,46 ; 85.2,46 83.76,46 ; 85.2,46 85.2,45.86
Net-(C43-Pad1): length 3
  Top w0.35: 85.2,38 83.75,38 ; 85.2,38 85.2,38.14 ; 85.2,38 86.65,38
Net-(C47-Pad1): length 4.4
  Top w0.35: 81.2,38.14 81.2,38 ; 81.2,38 80,38 ; 81.2,38 82.65,38 ; 80,38 78.56,38 ; 80,38 80,38.14
Net-(C48-Pad2): length 3
  Top w0.35: 76,38.14 76,38 ; 76,38 77.44,38 ; 76,38 74.56,38
Net-(C62-Pad1): length 1.2
  Top w0.3: 63.1,50.54 63.1,49.36
Net-(C66-Pad2): length 1.5
  Top w0.2: 68.45,59.4 69,58.85 69,58.16
Net-(C96-Pad2): length 2.5
  Top w0.35: R49.1 C96.2
Net-(C99-Pad1): length 7
  Top w0.35: J2.1 C99.1
Net-(C112-Pad2): length 3.7
  Top w0.3: 10,48.14 10,46.87 9.33,46.87 9,46.55 9,46.46 7.8,46.46
Net-(C113-Pad1): length 4.2
  Top w0.3: 15.2,48.14 15.2,47.07 15,46.87 16.08,46.87 16.4,46.55 16.4,46.46 17.6,46.46
Net-(C119-Pad1): length 13.2
  Top w0.3: 14.95,25.8 16.44,25.8 16.44,26.66 v1(16.3,26.8) ; 11.05,25.8 v1(9.7,25.8) 8.76,25.8
  Top w0.6: 17.5,27.04 16.54,27.04 v1(16.3,26.8)
  In3.Cu w0.6: v1(16.3,26.8) 15.3,25.8 v1(9.7,25.8)
Net-(C120-Pad2): length 2.3
  Top w0.3: 14.7,28.16 14.7,28.3 ; 14.7,28.3 14.7,29.35 ; 14.7,28.3 13.56,28.3
Net-(C121-Pad1): length 2.8
  Top w0.3: 10.9,50.54 10,49.64 10,49.26 ; 12.09,50.5 10.94,50.5
Net-(C121-Pad2): length 3
  Top w0.3: 13.21,50.5 14.35,50.5 14.4,50.55 14.4,50.64 15.2,49.84 15.2,49.26
Net-(C123-Pad2): length 2.4
  Top w0.2: 11.35,28.21 11.35,28.3
  Top w0.3: 11.35,28.3 12.44,28.3 ; 11.3,28.16 11.3,29.35
Net-(C128-Pad1): length 2.4
  Top w0.2: 13.56,30.5 13.75,30.5 13.8,30.45
  Top w0.3: 13.8,30.45 14.7,30.45 14.7,31.65
Net-(C128-Pad2): length 2.3
  Top w0.2: 12.39,30.55 12.3,30.55
  Top w0.3: 11.3,31.65 11.3,30.45 12.2,30.45 12.3,30.55
